# KiCad board Marble_Tiny.kicad_pcb (continued)
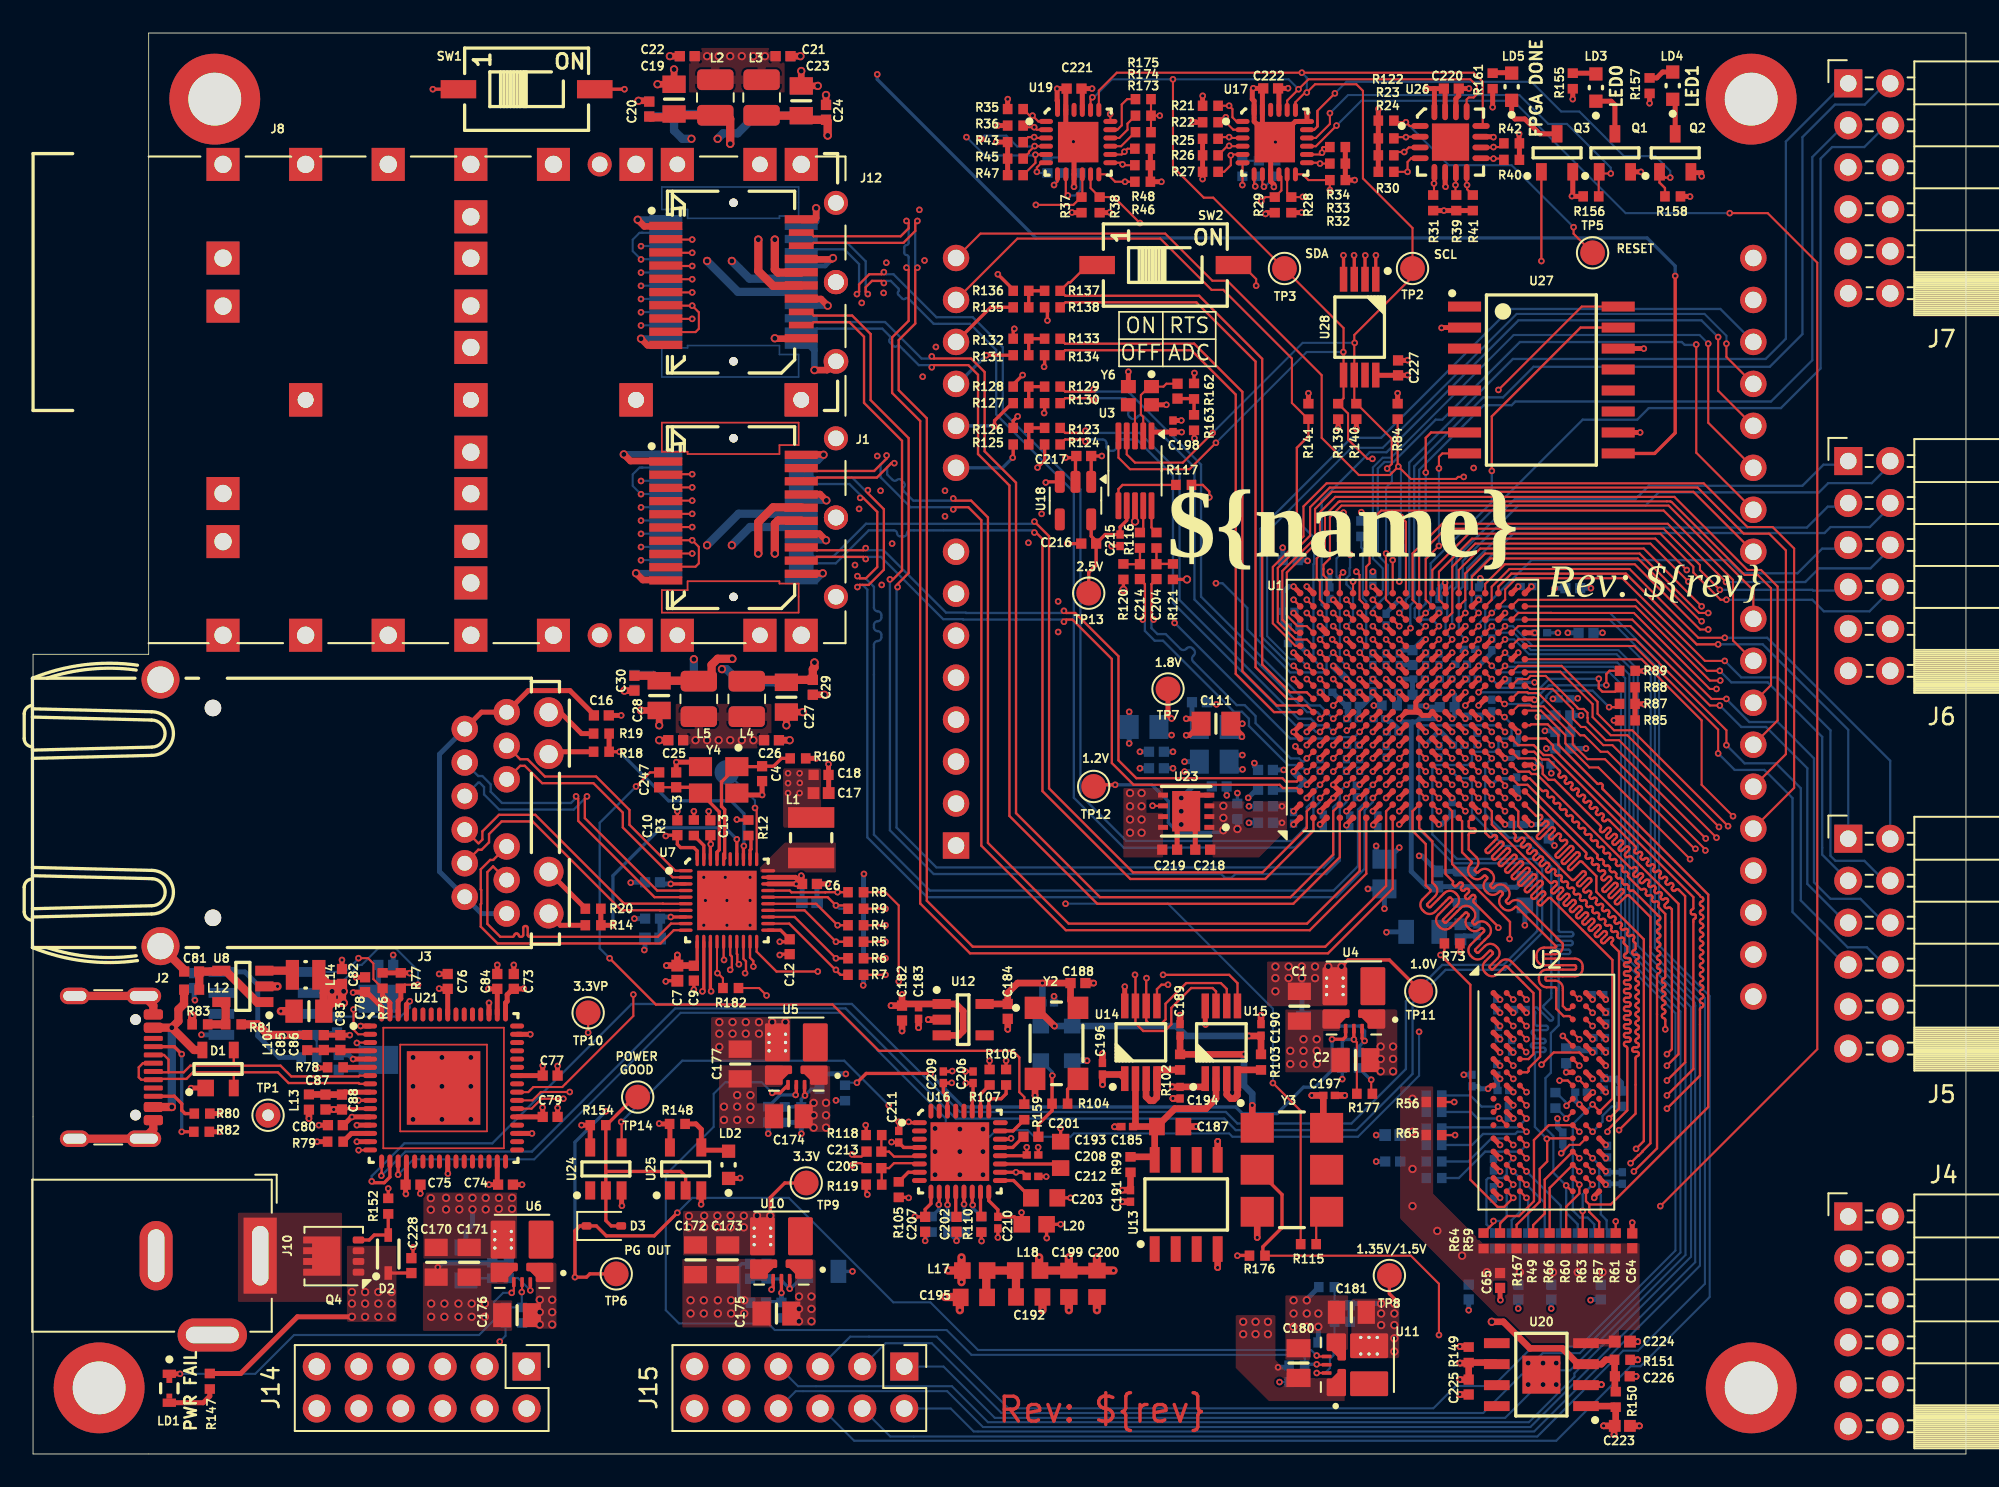
[diagram p0: board, top side]
## Library data of the parts (continued)
R19 R20 = -: Datasheet: \\cern.ch\dfs\Applications\Altium\Datasheets\R0402_Phycomp_RC0402.pdf; Description: General Purpose Thick Film Chip Resistor; Tolerance: ±1%; Val: 330; Library Ref: Resistor - 1%; Library Path: SchLib\Resistors.SchLib; Comment: 330; Component Kind: Standard; Component Type: Standard; Pin Count: 2; Footprint Path: PcbLib\Resistors SMD.PcbLib; Footprint Ref: RESC1005X40N; Status: Not Recommended; Power: 0.0625W; TC: ±100ppm/°C; Part Description: General Purpose Thick Film Chip Resistor; Manufacturer: GENERIC; Case: 0402; PressFit: No; Mounted: Yes; Sense: No; Socket: No; SMD: Yes; Manufacturer1 Example: YAGEO PHYCOMP; Manufacturer1 Part Number: 232270673301L; Manufacturer1 ComponentHeight: 0.4mm; HelpURL: \\cern.ch\dfs\Applications\Altium\Datasheets\R0402_Phycomp_RC0402.pdf; Author: CERN DEM JLC; CreateDate: 12/03/07 00:00:00; LatestRevisionDate: 10/17/12 00:00:00; Database Table Name: Resistors; Library Name: Resistors SMD; Footprint Library: Resistors SMD; License: CC-BY-SA 4.0
R49-R71 R153 R159 R167 = -: Datasheet: \\cern.ch\dfs\Applications\Altium\Datasheets\R0402_VISHAY_CRCW e3.pdf; Description: General Purpose Thick Film Chip Resistor; Tolerance: ±1%; Val: 40R2; Library Ref: Resistor - 1%; Library Path: SchLib\Resistors.SchLib; Comment: 40R2; Component Kind: Standard; Component Type: Standard; Pin Count: 2; Footprint Path: PcbLib\Resistors SMD.PcbLib; Footprint Ref: RESC1005X40N; Status: None; Power: 0.0625W; TC: ±100ppm/°C; Part Description: General Purpose Thick Film Chip Resistor; Manufacturer: GENERIC; Case: 0402; PressFit: No; Mounted: Yes; Sense: No; Socket: No; SMD: Yes; Manufacturer1 Example: VISHAY; Manufacturer1 Part Number: CRCW040240R2FK; Manufacturer1 ComponentHeight: 0.4mm; HelpURL: \\cern.ch\dfs\Applications\Altium\Datasheets\R0402_VISHAY_CRCW e3.pdf; Author: CERN DEM JLC; CreateDate: 02/03/15 00:00:00; LatestRevisionDate: 02/03/15 00:00:00; Database Table Name: Resistors; Library Name: Resistors SMD; Footprint Library: Resistors SMD; License: CC-BY-SA 4.0
R72 R120 R121 = -: Datasheet: \\cern.ch\dfs\Applications\Altium\Datasheets\R0402_Phycomp_RC0402.pdf; Description: General Purpose Thick Film Chip Resistor; Tolerance: ±1%; Val: 240; Library Ref: Resistor - 1%; Library Path: SchLib\Resistors.SchLib; Comment: 240; Component Kind: Standard; Component Type: Standard; Pin Count: 2; Footprint Path: PcbLib\Resistors SMD.PcbLib; Footprint Ref: RESC1005X40N; Status: Not Recommended; Power: 0.0625W; TC: ±100ppm/°C; Part Description: General Purpose Thick Film Chip Resistor; Manufacturer: GENERIC; Case: 0402; PressFit: No; Mounted: Yes; Sense: No; Socket: No; SMD: Yes; Manufacturer1 Example: YAGEO PHYCOMP; Manufacturer1 Part Number: 232270672401L; Manufacturer1 ComponentHeight: 0.4mm; HelpURL: \\cern.ch\dfs\Applications\Altium\Datasheets\R0402_Phycomp_RC0402.pdf; Author: CERN DEM JLC; CreateDate: 12/03/07 00:00:00; LatestRevisionDate: 10/17/12 00:00:00; Database Table Name: Resistors; Library Name: Resistors SMD; Footprint Library: Resistors SMD; License: CC-BY-SA 4.0
R74 = -: Datasheet: \\cern.ch\dfs\Applications\Altium\Datasheets\R0402_Phycomp_RC0402.pdf; Description: General Purpose Thick Film Chip Resistor; Tolerance: ±1%; Val: 2k2; Library Ref: Resistor - 1%; Library Path: SchLib\Resistors.SchLib; Comment: 2k2; Component Kind: Standard; Component Type: Standard; Pin Count: 2; Footprint Path: PcbLib\Resistors SMD.PcbLib; Footprint Ref: RESC1005X40N; Status: Not Recommended; Power: 0.0625W; TC: ±100ppm/°C; Part Description: General Purpose Thick Film Chip Resistor; Manufacturer: GENERIC; Case: 0402; PressFit: No; Mounted: Yes; Sense: No; Socket: No; SMD: Yes; Manufacturer1 Example: YAGEO PHYCOMP; Manufacturer1 Part Number: 232270672202L; Manufacturer1 ComponentHeight: 0.4mm; HelpURL: \\cern.ch\dfs\Applications\Altium\Datasheets\R0402_Phycomp_RC0402.pdf; Author: CERN DEM JLC; CreateDate: 12/03/07 00:00:00; LatestRevisionDate: 10/17/12 00:00:00; Database Table Name: Resistors; Library Name: Resistors SMD; Footprint Library: Resistors SMD; License: CC-BY-SA 4.0
R78 R152 R169 R177-R181 = -: Datasheet: \\cern.ch\dfs\Applications\Altium\Datasheets\R0402_Phycomp_RC0402.pdf; Description: General Purpose Thick Film Chip Resistor; Tolerance: ±1%; Val: 12k; Library Ref: Resistor - 1%; Library Path: SchLib\Resistors.SchLib; Comment: 12k; Component Kind: Standard; Component Type: Standard; Pin Count: 2; Footprint Path: PcbLib\Resistors SMD.PcbLib; Footprint Ref: RESC1005X40N; Status: Not Recommended; Power: 0.0625W; TC: ±100ppm/°C; Part Description: General Purpose Thick Film Chip Resistor; Manufacturer: GENERIC; Case: 0402; PressFit: No; Mounted: Yes; Sense: No; Socket: No; SMD: Yes; Manufacturer1 Example: YAGEO PHYCOMP; Manufacturer1 Part Number: 232270671203L; Manufacturer1 ComponentHeight: 0.4mm; HelpURL: \\cern.ch\dfs\Applications\Altium\Datasheets\R0402_Phycomp_RC0402.pdf; Author: CERN DEM JLC; CreateDate: 12/03/07 00:00:00; LatestRevisionDate: 10/17/12 00:00:00; Database Table Name: Resistors; Library Name: Resistors SMD; Footprint Library: Resistors SMD; License: CC-BY-SA 4.0
R80 R82 = -: Datasheet: \\cern.ch\dfs\Applications\Altium\Datasheets\R0402_Phycomp_RC0402.pdf; Description: General Purpose Thick Film Chip Resistor; Tolerance: ±1%; Val: 5k1; Library Ref: Resistor - 1%; Library Path: SchLib\Resistors.SchLib; Comment: 5k1; Component Kind: Standard; Component Type: Standard; Pin Count: 2; Footprint Path: PcbLib\Resistors SMD.PcbLib; Footprint Ref: RESC1005X40N; Status: Not Recommended; Power: 0.0625W; TC: ±100ppm/°C; Part Description: General Purpose Thick Film Chip Resistor; Manufacturer: GENERIC; Case: 0402; PressFit: No; Mounted: Yes; Sense: No; Socket: No; SMD: Yes; Manufacturer1 Example: YAGEO PHYCOMP; Manufacturer1 Part Number: 232270675102L; Manufacturer1 ComponentHeight: 0.4mm; HelpURL: \\cern.ch\dfs\Applications\Altium\Datasheets\R0402_Phycomp_RC0402.pdf; Author: CERN DEM JLC; CreateDate: 12/03/07 00:00:00; LatestRevisionDate: 10/17/12 00:00:00; Database Table Name: Resistors; Library Name: Resistors SMD; Footprint Library: Resistors SMD; License: CC-BY-SA 4.0
R83 = -: Datasheet: \\cern.ch\dfs\Applications\Altium\Datasheets\R0402_Phycomp_RC0402.pdf; ~: 2k2; Library Ref: Resistor - 1%; Library Path: SchLib\Resistors.SchLib; Comment: =Value; Component Kind: Standard; Component Type: Standard; Pin Count: 2; Footprint Path: PcbLib\Resistors SMD.PcbLib; Footprint Ref: RESC1005X40N; Val: 2k2; Status: Not Recommended; Power: 0.0625W; TC: ±100ppm/°C; Tolerance: ±1%; Part Description: General Purpose Thick Film Chip Resistor; Manufacturer: GENERIC; Case: 0402; PressFit: No; Mounted: Yes; Sense: No; Socket: No; SMD: Yes; Manufacturer1 Example: YAGEO PHYCOMP; Manufacturer1 Part Number: 232270672202L; Manufacturer1 ComponentHeight: 0.4mm; CreateDate: 12/03/07 00:00:00; LatestRevisionDate: 10/17/12 00:00:00; Library Name: Resistors SMD; License: This work is licensed under the Creative Commons CC-BY-SA 4.0 License. To the extent that circuit schematics that use Licensed Material can be considered to be ‘Adapted Material’, then the copyright holder waives article 3.b of the license with respect to these schematics.
R84 R88-R90 R126 R128 R132 R136 R149-R151 = -: Datasheet: \\cern.ch\dfs\Applications\Altium\Datasheets\R0402_Phycomp_RC0402.pdf; Description: General Purpose Thick Film Chip Resistor; Tolerance: ±1%; Val: 1k; Library Ref: Resistor - 1%; Library Path: SchLib\Resistors.SchLib; Comment: 1k; Component Kind: Standard; Component Type: Standard; Pin Count: 2; Footprint Path: PcbLib\Resistors SMD.PcbLib; Footprint Ref: RESC1005X40N; Status: Not Recommended; Power: 0.0625W; TC: ±100ppm/°C; Part Description: General Purpose Thick Film Chip Resistor; Manufacturer: GENERIC; Case: 0402; PressFit: No; Mounted: Yes; Sense: No; Socket: No; SMD: Yes; Manufacturer1 Example: YAGEO PHYCOMP; Manufacturer1 Part Number: 232270671002L; Manufacturer1 ComponentHeight: 0.4mm; HelpURL: \\cern.ch\dfs\Applications\Altium\Datasheets\R0402_Phycomp_RC0402.pdf; Author: CERN DEM JLC; CreateDate: 12/03/07 00:00:00; LatestRevisionDate: 10/17/12 00:00:00; Database Table Name: Resistors; Library Name: Resistors SMD; Footprint Library: Resistors SMD; License: CC-BY-SA 4.0
R91 R94 = -: Datasheet: \\cern.ch\dfs\Applications\Altium\Datasheets\R0805_KOA_RN73R.pdf; Description: Thin (Metal) Film Flat Chip Resistor; Tolerance: ±0.1%; Val: 135k; Library Ref: Resistor - 0.1%; Library Path: SchLib\Resistors.SchLib; Comment: 135k; Component Kind: Standard; Component Type: Standard; Pin Count: 2; Footprint Path: PcbLib\Resistors SMD.PcbLib; Footprint Ref: RESC2012X60N; Status: Not Recommended; Power: 0.1W; TC: ±25ppm/°C; Part Description: Thin (Metal) Film Flat Chip Resistor; Manufacturer: KOA; Manufacturer Part Number: RN73R2ATTD1353B25; Case: 0805; PressFit: No; Mounted: Yes; Sense: No; Socket: No; SMD: Yes; ComponentHeight: 0.6mm; HelpURL: \\cern.ch\dfs\Applications\Altium\Datasheets\R0805_KOA_RN73R.pdf; Author: CERN DEM BC; CreateDate: 04/24/20 00:00:00; LatestRevisionDate: 04/24/20 00:00:00; Database Table Name: Resistors; Library Name: Resistors SMD; Footprint Library: Resistors SMD; License: CC-BY-SA 4.0
R92 R93 R95-R97 R100 R101 R142-R147 R162 = -: Datasheet: \\cern.ch\dfs\Applications\Altium\Datasheets\R0402_Phycomp_RC0402.pdf; Description: General Purpose Thick Film Chip Resistor; Tolerance: ±1%; Val: 30k; Library Ref: Resistor - 1%; Library Path: SchLib\Resistors.SchLib; Comment: 30k; Component Kind: Standard; Component Type: Standard; Pin Count: 2; Footprint Path: PcbLib\Resistors SMD.PcbLib; Footprint Ref: RESC1005X40N; Status: Not Recommended; Power: 0.0625W; TC: ±100ppm/°C; Part Description: General Purpose Thick Film Chip Resistor; Manufacturer: GENERIC; Case: 0402; PressFit: No; Mounted: Yes; Sense: No; Socket: No; SMD: Yes; Manufacturer1 Example: YAGEO PHYCOMP; Manufacturer1 Part Number: 232270673003L; Manufacturer1 ComponentHeight: 0.4mm; HelpURL: \\cern.ch\dfs\Applications\Altium\Datasheets\R0402_Phycomp_RC0402.pdf; Author: CERN DEM JLC; CreateDate: 12/03/07 00:00:00; LatestRevisionDate: 10/17/12 00:00:00; Database Table Name: Resistors; Library Name: Resistors SMD; Footprint Library: Resistors SMD; License: CC-BY-SA 4.0
R99 R102 R103 = -: Datasheet: \\cern.ch\dfs\Applications\Altium\Datasheets\R0402_Phycomp_RC0402.pdf; ~: 240; Library Ref: Resistor - 1%; Library Path: SchLib\Resistors.SchLib; Comment: 240; Component Kind: Standard; Component Type: Standard; Pin Count: 2; Footprint Path: PcbLib\Resistors SMD.PcbLib; Footprint Ref: RESC1005X40N; Val: 240; Status: Not Recommended; Power: 0.0625W; TC: ±100ppm/°C; Tolerance: ±1%; Part Description: General Purpose Thick Film Chip Resistor; Manufacturer: GENERIC; Case: 0402; PressFit: No; Mounted: Yes; Sense: No; Socket: No; SMD: Yes; Manufacturer1 Example: YAGEO PHYCOMP; Manufacturer1 Part Number: 232270672401L; Manufacturer1 ComponentHeight: 0.4mm; CreateDate: 12/03/07 00:00:00; LatestRevisionDate: 10/17/12 00:00:00; Library Name: Resistors SMD; License: This work is licensed under the Creative Commons CC-BY-SA 4.0 License. To the extent that circuit schematics that use Licensed Material can be considered to be ‘Adapted Material’, then the copyright holder waives article 3.b of the license with respect to these schematics.
R104 R105 R110 R160 = -: Datasheet: \\cern.ch\dfs\Applications\Altium\Datasheets\R0402_Phycomp_RC0402.pdf; ~: 0; Library Ref: Resistor; Library Path: SchLib\Resistors.SchLib; Comment: =Value; Component Kind: Standard; Component Type: Standard; Pin Count: 2; Footprint Path: PcbLib\Resistors SMD.PcbLib; Footprint Ref: RESC1005X40N; Val: 0; Status: Not Recommended; Part Description: 1A (0.05R Max DC Resistance) Zero Ohm Jumper; Manufacturer: GENERIC; Case: 0402; PressFit: No; Mounted: Yes; Sense: No; Socket: No; SMD: Yes; Manufacturer1 Example: YAGEO PHYCOMP; Manufacturer1 Part Number: 232270591001L; Manufacturer1 ComponentHeight: 0.4mm; CreateDate: 12/03/07 00:00:00; LatestRevisionDate: 10/17/12 00:00:00; Library Name: Resistors SMD; License: This work is licensed under the Creative Commons CC-BY-SA 4.0 License. To the extent that circuit schematics that use Licensed Material can be considered to be ‘Adapted Material’, then the copyright holder waives article 3.b of the license with respect to these schematics.
R106-R109 R111 R112 = -: Datasheet: \\cern.ch\dfs\Applications\Altium\Datasheets\R0402_Phycomp_RC0402.pdf; ~: 0; Library Ref: Resistor; Library Path: SchLib\Resistors.SchLib; Comment: =Value; Component Kind: Standard; Component Type: Standard; Pin Count: 2; Footprint Path: PcbLib\Resistors SMD.PcbLib; Footprint Ref: RESC1005X40N; Val: 0; Status: Not Recommended; Part Description: 1A (0.05R Max DC Resistance) Zero Ohm Jumper; Manufacturer: GENERIC; Case: 0402; PressFit: No; Mounted: Yes; Sense: No; Socket: No; SMD: Yes; Manufacturer1 Example: YAGEO PHYCOMP; Manufacturer1 Part Number: 232270591001L; Manufacturer1 ComponentHeight: 0.4mm; CreateDate: 12/03/07 00:00:00; LatestRevisionDate: 10/17/12 00:00:00; Library Name: Resistors SMD; License: This work is licensed under the Creative Commons CC-BY-SA 4.0 License. To the extent that circuit schematics that use Licensed Material can be considered to be ‘Adapted Material’, then the copyright holder waives article 3.b of the license with respect to these schematics.; config: dnf
R113 R116 = -: Datasheet: \\cern.ch\dfs\Applications\Altium\Datasheets\R0402_PANASONIC_ERA.pdf; Description: Thick Film Chip Resistor; Tolerance: ±0.1%; Val: 510; Library Ref: Resistor - 0.1%; Library Path: SchLib\Resistors.SchLib; Comment: 510; Component Kind: Standard; Component Type: Standard; Pin Count: 2; Footprint Path: PcbLib\Resistors SMD.PcbLib; Footprint Ref: RESC1005X40N; Status: Not Recommended; Power: 0.063W; TC: ±10ppm/°C; Part Description: Thick Film Chip Resistor; Manufacturer: GENERIC; Case: 0402; PressFit: No; Mounted: Yes; Sense: No; Socket: No; SMD: Yes; Manufacturer1 Example: PANASONIC; Manufacturer1 Part Number: ERA2ARB511X; Manufacturer1 ComponentHeight: 0.4mm; HelpURL: \\cern.ch\dfs\Applications\Altium\Datasheets\R0402_PANASONIC_ERA.pdf; Author: CERN DEM HF; CreateDate: 04/25/24 00:00:00; LatestRevisionDate: 04/25/24 00:00:00; Database Table Name: Resistors; Library Name: Resistors SMD; Footprint Library: Resistors SMD; License: CC-BY-SA 4.0
R114 R115 R117 = -: Datasheet: \\cern.ch\dfs\Applications\Altium\Datasheets\R0402_PANASONIC_ERJ2RK.pdf; ~: 100; Library Ref: Resistor - 1%; Library Path: SchLib\Resistors.SchLib; Comment: =Value; Component Kind: Standard; Component Type: Standard; Pin Count: 2; Footprint Path: PcbLib\Resistors SMD.PcbLib; Footprint Ref: RESC1005X40N; Val: 100; Status: Not Recommended; Power: 0.1W; TC: ±100ppm/°C; Voltage: 50V; Tolerance: ±1%; Part Description: General Purpose Thick Film Chip Resistor; Manufacturer: GENERIC; Case: 0402; PressFit: No; Mounted: Yes; Sense: No; Socket: No; SMD: Yes; Manufacturer1 Example: PANASONIC; Manufacturer1 Part Number: ERJ2RKF1000X; Manufacturer1 ComponentHeight: 0.4mm; CreateDate: 12/12/13 00:00:00; LatestRevisionDate: 03/03/15 00:00:00; Library Name: Resistors SMD; License: This work is licensed under the Creative Commons CC-BY-SA 4.0 License. To the extent that circuit schematics that use Licensed Material can be considered to be ‘Adapted Material’, then the copyright holder waives article 3.b of the license with respect to these schematics.
R118 R119 = -: Datasheet: \\cern.ch\dfs\Applications\Altium\Datasheets\R0402_Phycomp_RC0402.pdf; Description: General Purpose Thick Film Chip Resistor; Tolerance: ±1%; Val: 200; Library Ref: Resistor - 1%; Library Path: SchLib\Resistors.SchLib; Comment: 200; Component Kind: Standard; Component Type: Standard; Pin Count: 2; Footprint Path: PcbLib\Resistors SMD.PcbLib; Footprint Ref: RESC1005X40N; Status: Not Recommended; Power: 0.0625W; TC: ±100ppm/°C; Part Description: General Purpose Thick Film Chip Resistor; Manufacturer: GENERIC; Case: 0402; PressFit: No; Mounted: Yes; Sense: No; Socket: No; SMD: Yes; Manufacturer1 Example: YAGEO PHYCOMP; Manufacturer1 Part Number: 232270672001L; Manufacturer1 ComponentHeight: 0.4mm; HelpURL: \\cern.ch\dfs\Applications\Altium\Datasheets\R0402_Phycomp_RC0402.pdf; Author: CERN DEM JLC; CreateDate: 12/03/07 00:00:00; LatestRevisionDate: 10/17/12 00:00:00; Database Table Name: Resistors; Library Name: Resistors SMD; Footprint Library: Resistors SMD; License: CC-BY-SA 4.0
R123 R129 R133 R137 = -: Datasheet: \\cern.ch\dfs\Applications\Altium\Datasheets\R0402_Phycomp_RC0402.pdf; Description: General Purpose Thick Film Chip Resistor; Tolerance: ±1%; Val: 140; Library Ref: Resistor - 1%; Library Path: SchLib\Resistors.SchLib; Comment: 140; Component Kind: Standard; Component Type: Standard; Pin Count: 2; Footprint Path: PcbLib\Resistors SMD.PcbLib; Footprint Ref: RESC1005X40N; Status: Not Recommended; Power: 0.0625W; TC: ±100ppm/°C; Part Description: General Purpose Thick Film Chip Resistor; Manufacturer: GENERIC; Case: 0402; PressFit: No; Mounted: Yes; Sense: No; Socket: No; SMD: Yes; Manufacturer1 Example: YAGEO PHYCOMP; Manufacturer1 Part Number: 232270671401L or RC0402FR-07140RL; Manufacturer1 ComponentHeight: 0.4mm; HelpURL: \\cern.ch\dfs\Applications\Altium\Datasheets\R0402_Phycomp_RC0402.pdf; Author: CERN DEM BC; CreateDate: 07/29/15 00:00:00; LatestRevisionDate: 07/29/15 00:00:00; Database Table Name: Resistors; Library Name: Resistors SMD; Footprint Library: Resistors SMD; License: CC-BY-SA 4.0
R124 R130 R134 R138 = -: Datasheet: \\cern.ch\dfs\Applications\Altium\Datasheets\R0402_TYCO_CPF.pdf; Description: Thin Film Precision Resistor; Tolerance: ±0.1%; Val: 845; Library Ref: Resistor - 0.1%; Library Path: SchLib\Resistors.SchLib; Comment: 845; Component Kind: Standard; Component Type: Standard; Pin Count: 2; Footprint Path: PcbLib\Resistors SMD.PcbLib; Footprint Ref: RESC1005X40N; Status: Not Recommended; Power: 0.063W; TC: ±25ppm/°C; Part Description: Thin Film Precision Resistor; Manufacturer: GENERIC; Case: 0402; PressFit: No; Mounted: Yes; Sense: No; Socket: No; SMD: Yes; Manufacturer1 Example: TE CONNECTIVITY; Manufacturer1 ComponentHeight: 0.4mm; HelpURL: \\cern.ch\dfs\Applications\Altium\Datasheets\R0402_TYCO_CPF.pdf; Author: CERN DEM HF; CreateDate: 05/25/23 00:00:00; LatestRevisionDate: 05/25/23 00:00:00; Database Table Name: Resistors; Library Name: Resistors SMD; Footprint Library: Resistors SMD; License: CC-BY-SA 4.0
R125 R127 R131 R135 = -: Datasheet: \\cern.ch\dfs\Applications\Altium\Datasheets\R0402_Phycomp_RC0402.pdf; Description: General Purpose Thick Film Chip Resistor; Tolerance: ±1%; Val: 2k32; Library Ref: Resistor - 1%; Library Path: SchLib\Resistors.SchLib; Comment: 2k; Component Kind: Standard; Component Type: Standard; Pin Count: 2; Footprint Path: PcbLib\Resistors SMD.PcbLib; Footprint Ref: RESC1005X40N; Status: Not Recommended; Power: 0.0625W; TC: ±100ppm/°C; Part Description: General Purpose Thick Film Chip Resistor; Manufacturer: GENERIC; Case: 0402; PressFit: No; Mounted: Yes; Sense: No; Socket: No; SMD: Yes; Manufacturer1 Example: YAGEO PHYCOMP; Manufacturer1 ComponentHeight: 0.4mm; HelpURL: \\cern.ch\dfs\Applications\Altium\Datasheets\R0402_Phycomp_RC0402.pdf; Author: CERN DEM JLC; CreateDate: 12/03/07 00:00:00; LatestRevisionDate: 10/17/12 00:00:00; Database Table Name: Resistors; Library Name: Resistors SMD; Footprint Library: Resistors SMD; License: CC-BY-SA 4.0
R154 R164-R166 R170-R175 = -: Datasheet: \\cern.ch\dfs\Applications\Altium\Datasheets\R0402_Phycomp_RC0402.pdf; Description: General Purpose Thick Film Chip Resistor; Tolerance: ±1%; Val: 100k; Library Ref: Resistor - 1%; Library Path: SchLib\Resistors.SchLib; Comment: 100k; Component Kind: Standard; Component Type: Standard; Pin Count: 2; Footprint Path: PcbLib\Resistors SMD.PcbLib; Footprint Ref: RESC1005X40N; Status: Not Recommended; Power: 0.0625W; TC: ±100ppm/°C; Part Description: General Purpose Thick Film Chip Resistor; Manufacturer: GENERIC; Case: 0402; PressFit: No; Mounted: Yes; Sense: No; Socket: No; SMD: Yes; Manufacturer1 Example: YAGEO PHYCOMP; Manufacturer1 Part Number: 232270671004L; Manufacturer1 ComponentHeight: 0.4mm; HelpURL: \\cern.ch\dfs\Applications\Altium\Datasheets\R0402_Phycomp_RC0402.pdf; Author: CERN DEM JLC; CreateDate: 12/03/07 00:00:00; LatestRevisionDate: 10/17/12 00:00:00; Database Table Name: Resistors; Library Name: Resistors SMD; Footprint Library: Resistors SMD; License: CC-BY-SA 4.0
R168 = -: Datasheet: \\cern.ch\dfs\Applications\Altium\Datasheets\R0402_PANASONIC_ERJ2RK.pdf; Description: General Purpose Thick Film Chip Resistor; Tolerance: ±1%; Val: 80R6; Library Ref: Resistor - 1%; Library Path: SchLib\Resistors.SchLib; Comment: 80R6; Component Kind: Standard; Component Type: Standard; Pin Count: 2; Footprint Path: PcbLib\Resistors SMD.PcbLib; Footprint Ref: RESC1005X40N; Status: Not Recommended; Power: 0.1W; TC: ±100ppm/°C; Voltage: 50V; Part Description: General Purpose Thick Film Chip Resistor; Manufacturer: GENERIC; Case: 0402; PressFit: No; Mounted: Yes; Sense: No; Socket: No; SMD: Yes; Manufacturer1 Example: PANASONIC; Manufacturer1 Part Number: ERJ2RKF80R6X; Manufacturer1 ComponentHeight: 0.4mm; HelpURL: \\cern.ch\dfs\Applications\Altium\Datasheets\R0402_PANASONIC_ERJ2RK.pdf; Author: CERN DEM JLC; CreateDate: 03/03/15 00:00:00; LatestRevisionDate: 03/03/15 00:00:00; Database Table Name: Resistors; Library Name: Resistors SMD; Footprint Library: Resistors SMD; License: CC-BY-SA 4.0
SW1 SW2 = -: Description: 1x DIP Switch, Single Pole Single Throw (SPST) switch, small symbol; ki_fp_filters: SW?DIP?x1*
TP1 = -: ki_fp_filters: Pin* Test*
TP2-TP14 = -: Description: test point; ki_fp_filters: Pin* Test*
U1 = -: Description: Artix 7 T 35 XC7A35T-CSG325
U2 = -: Datasheet: https://www.alliancememory.com/wp-content/uploads/pdf/ddr3/4GB-AS4C256M16D3.pdf; Description: 4Gb (256Mx16 bit) Double Data Rate 3 Synchronous DRAM; ki_fp_filters: BGA*9.0x13.0mm*P0.8mm*
U3 = -: Datasheet: https://www.silabs.com/documents/public/data-sheets/Si5351-B.pdf; Description: I2C Programmable Any-Frequency CMOS Clock Generator, MSOP-8; ki_fp_filters: MSOP*3x3mm*P0.5mm*
U4-U6 U10 U11 = -: SNAPEDA_LINK: https://www.snapeda.com/parts/TPSM863257RDXR/Texas+Instruments/view-part/?ref=snap; PACKAGE: PowerFQFN-7 Texas Instruments; ALTIUM_VALUE: *; MF: Texas Instruments; CHECK_PRICES: https://www.snapeda.com/parts/TPSM863257RDXR/Texas+Instruments/view-part/?ref=eda; ki_fp_filters: VREG_TPSM863257RDXR
U7 = -: SNAPEDA_LINK: https://www.snapeda.com/parts/RTL8211F-CG/Realtek/view-part/?ref=snap; PACKAGE: None; ALTIUM_VALUE: *; MF: Realtek Semiconductor Corp; CHECK_PRICES: https://www.snapeda.com/parts/RTL8211F-CG/Realtek/view-part/?ref=eda; ki_fp_filters: QFN40P500X500X90-41N
U8 = -: Library Ref: TLV62565; Library Path: SchLib\Regulators.SchLib; Comment: =Device; Component Kind: Standard; Component Type: Standard; PackageDescription: SOT, 0.95mm Pitch; 5 Pin, 1.60mm W X 2.90mm L X 1.45mm H Body, IPC Medium Density; Part Description: 1.5A High Efficiency Step-Down Converter, Adjustable Output Voltage; Manufacturer: TEXAS INSTRUMENTS; Manufacturer Part Number: TLV62565DBVR; Pin Count: 5; Case: SOT23-5; Mounted: Yes; Socket: No; SMD: Yes; PressFit: No; Sense: No; ComponentHeight: 1.45mm; Footprint Path: PcbLib\ICs And Semiconductors SMD.PcbLib; Footprint Ref: SOT95P280X145-5N; CreateDate: 08/29/16 00:00:00; LatestRevisionDate: 08/29/16 00:00:00; Library Name: ICs And Semiconductors SMD; License: This work is licensed under the Creative Commons CC-BY-SA 4.0 License. To the extent that circuit schematics that use Licensed Material can be considered to be ‘Adapted Material’, then the copyright holder waives article 3.b of the license with respect to these schematics.
U9 = -: Datasheet: http://www.ti.com/lit/ds/symlink/ref3033.pdf; Description: 1.25V 50-ppm/°C Max, 50-μA, CMOS Voltage Reference, SOT-23-3; ki_fp_filters: SOT?23*
U12 U13 = -: Manufacturer: TEXAS INSTRUMENTS
